# Altium PCB PA_8CH_CTRL.PcbDoc (part 2 of 10)
Units mm, origin at the board's own origin, x right, y up, seen from the top; angles counter-clockwise.
Board outline 390 x 110 mm, 4 copper layers (Component Side, Signal Layer 1, Power Plane, Solder Side), stack 1.604 mm thick; 833 components, 525 nets, 2536 pads, 1881 vias.
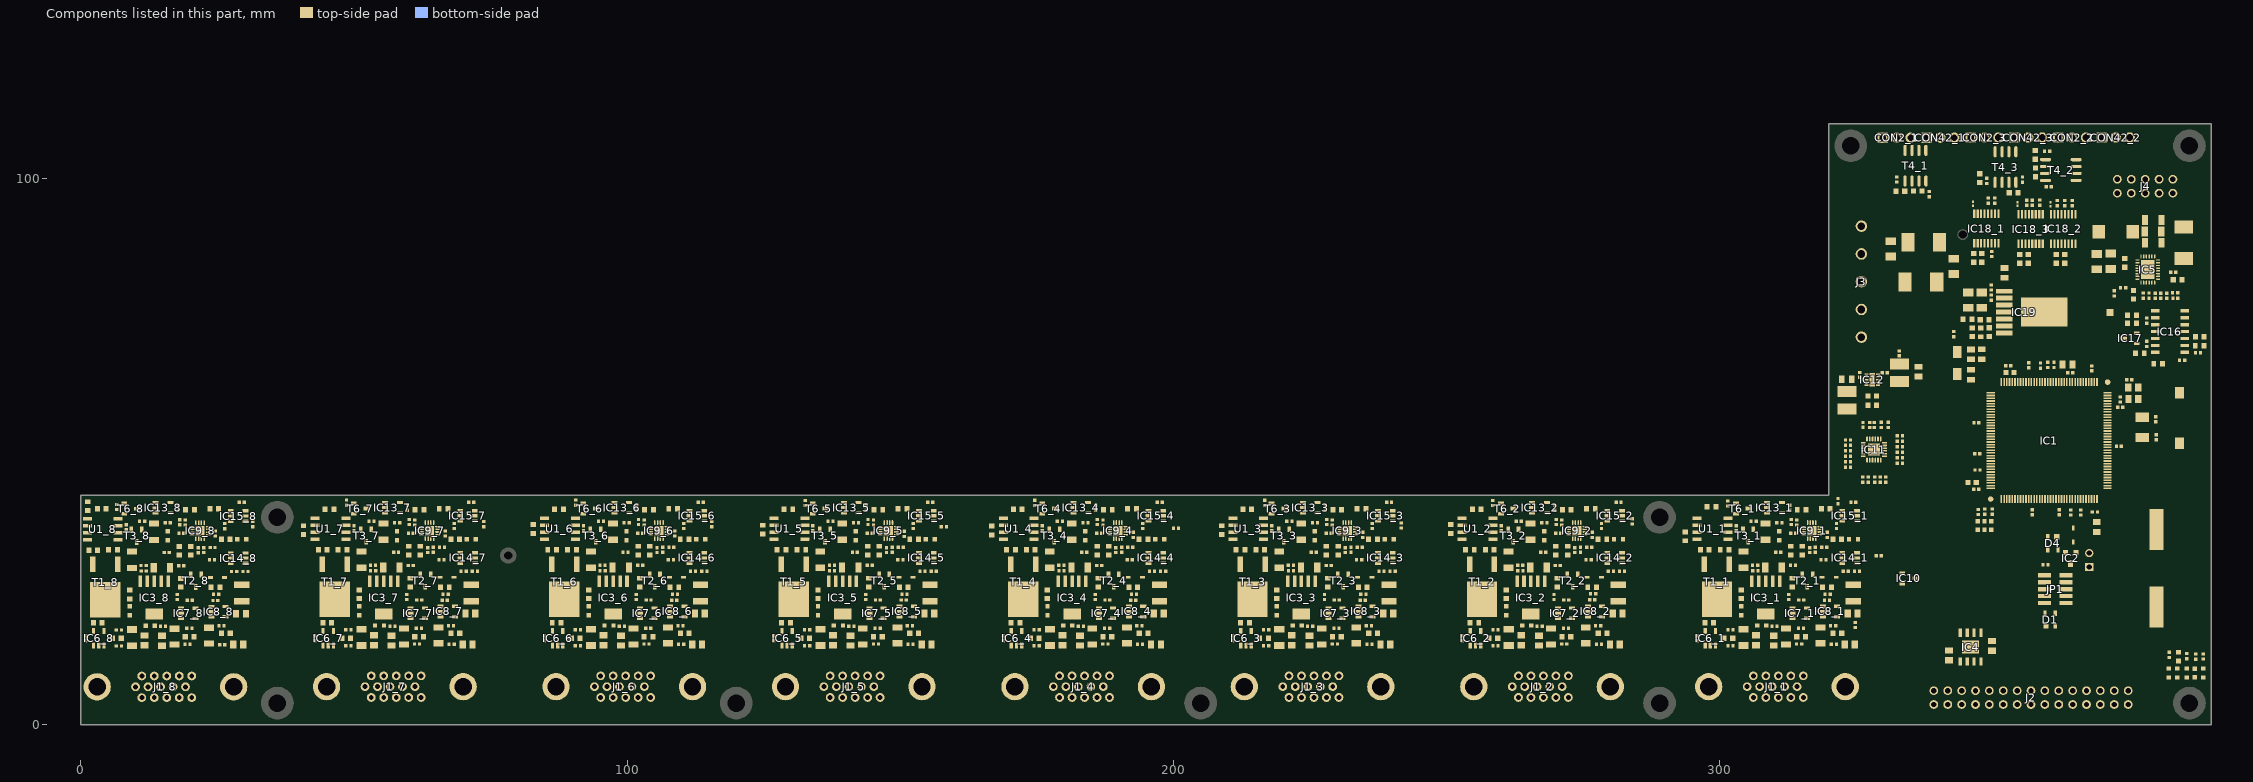
[diagram p4: the components of this part, seen from the top]

## Components (designator, comment, footprint, x,y, rotation, side; value= is the part's Value field where it differs from the comment) (continued)
R40_5 "10k" RESC1005X40N 137.235,37.281 r0 top (schematic designator R40)
R40_6 "10k" RESC1005X40N 95.235,37.281 r0 top (schematic designator R40)
R40_7 "10k" RESC1005X40N 53.235,37.281 r0 top (schematic designator R40)
R40_8 "10k" RESC1005X40N 11.235,37.252 r0 top (schematic designator R40)
R43_1 "82" RESC1005X40N 301.985,14.478 r0 top (schematic designator R43)
R43_2 "82" RESC1005X40N 258.985,14.478 r0 top (schematic designator R43)
R43_3 "82" RESC1005X40N 216.985,14.478 r0 top (schematic designator R43)
R43_4 "82" RESC1005X40N 174.985,14.478 r0 top (schematic designator R43)
R43_5 "82" RESC1005X40N 132.985,14.478 r0 top (schematic designator R43)
R43_6 "82" RESC1005X40N 90.985,14.478 r0 top (schematic designator R43)
R43_7 "82" RESC1005X40N 48.985,14.478 r0 top (schematic designator R43)
R43_8 "82" RESC1005X40N 6.985,14.449 r0 top (schematic designator R43)
R44_1 "82" RESC1005X40N 301.985,17.399 r0 top (schematic designator R44)
R44_2 "82" RESC1005X40N 258.985,17.399 r0 top (schematic designator R44)
R44_3 "82" RESC1005X40N 216.985,17.399 r0 top (schematic designator R44)
R44_4 "82" RESC1005X40N 174.985,17.399 r0 top (schematic designator R44)
R44_5 "82" RESC1005X40N 132.985,17.399 r0 top (schematic designator R44)
R44_6 "82" RESC1005X40N 90.985,17.399 r0 top (schematic designator R44)
R44_7 "82" RESC1005X40N 48.985,17.399 r0 top (schematic designator R44)
R44_8 "82" RESC1005X40N 6.985,17.37 r0 top (schematic designator R44)
R45_1 "330" RESC1608X55N 298.11,18.706 r0 top (schematic designator R45)
R45_2 "330" RESC1608X55N 255.11,18.706 r0 top (schematic designator R45)
R45_3 "330" RESC1608X55N 213.11,18.706 r0 top (schematic designator R45)
R45_4 "330" RESC1608X55N 171.11,18.706 r0 top (schematic designator R45)
R45_5 "330" RESC1608X55N 129.11,18.706 r0 top (schematic designator R45)
R45_6 "330" RESC1608X55N 87.11,18.706 r0 top (schematic designator R45)
R45_7 "330" RESC1608X55N 45.11,18.706 r0 top (schematic designator R45)
R45_8 "330" RESC1608X55N 3.11,18.677 r0 top (schematic designator R45)
R46_1 "82" RESC1005X40N 320.781,18.161 r180 top (schematic designator R46)
R46_2 "82" RESC1005X40N 277.781,18.161 r180 top (schematic designator R46)
R46_3 "82" RESC1005X40N 235.781,18.161 r180 top (schematic designator R46)
R46_4 "82" RESC1005X40N 193.781,18.161 r180 top (schematic designator R46)
R46_5 "82" RESC1005X40N 151.781,18.161 r180 top (schematic designator R46)
R46_6 "82" RESC1005X40N 109.781,18.161 r180 top (schematic designator R46)
R46_7 "82" RESC1005X40N 67.781,18.161 r180 top (schematic designator R46)
R46_8 "82" RESC1005X40N 25.781,18.132 r180 top (schematic designator R46)
R47_1 "82" RESC1005X40N 320.908,14.732 r180 top (schematic designator R47)
R47_2 "82" RESC1005X40N 277.908,14.732 r180 top (schematic designator R47)
R47_3 "82" RESC1005X40N 235.908,14.732 r180 top (schematic designator R47)
R47_4 "82" RESC1005X40N 193.908,14.732 r180 top (schematic designator R47)
R47_5 "82" RESC1005X40N 151.908,14.732 r180 top (schematic designator R47)
R47_6 "82" RESC1005X40N 109.908,14.732 r180 top (schematic designator R47)
R47_7 "82" RESC1005X40N 67.908,14.732 r180 top (schematic designator R47)
R47_8 "82" RESC1005X40N 25.908,14.703 r180 top (schematic designator R47)
R48_1 "82" RESC1005X40N 314.56,14.806 r180 top (schematic designator R48)
R48_2 "82" RESC1005X40N 271.56,14.806 r180 top (schematic designator R48)
R48_3 "82" RESC1005X40N 229.56,14.806 r180 top (schematic designator R48)
R48_4 "82" RESC1005X40N 187.56,14.806 r180 top (schematic designator R48)
R48_5 "82" RESC1005X40N 145.56,14.806 r180 top (schematic designator R48)
R48_6 "82" RESC1005X40N 103.56,14.806 r180 top (schematic designator R48)
R48_7 "82" RESC1005X40N 61.56,14.806 r180 top (schematic designator R48)
R48_8 "82" RESC1005X40N 19.56,14.777 r180 top (schematic designator R48)
R49_1 "82" RESC1005X40N 314.888,17.707 r180 top (schematic designator R49)
R49_2 "82" RESC1005X40N 271.888,17.707 r180 top (schematic designator R49)
R49_3 "82" RESC1005X40N 229.888,17.707 r180 top (schematic designator R49)
R49_4 "82" RESC1005X40N 187.888,17.707 r180 top (schematic designator R49)
R49_5 "82" RESC1005X40N 145.888,17.707 r180 top (schematic designator R49)
R49_6 "82" RESC1005X40N 103.888,17.707 r180 top (schematic designator R49)
R49_7 "82" RESC1005X40N 61.888,17.707 r180 top (schematic designator R49)
R49_8 "82" RESC1005X40N 19.888,17.678 r180 top (schematic designator R49)
R50_1 "10k" RESC1005X40N 319.79,23.93 r180 top (schematic designator R50)
R50_2 "10k" RESC1005X40N 276.86,24.003 r180 top (schematic designator R50)
R50_3 "10k" RESC1005X40N 234.79,23.93 r180 top (schematic designator R50)
R50_4 "10k" RESC1005X40N 192.79,23.93 r180 top (schematic designator R50)
R50_5 "10k" RESC1005X40N 150.79,23.93 r180 top (schematic designator R50)
R50_6 "10k" RESC1005X40N 108.79,23.93 r180 top (schematic designator R50)
R50_7 "10k" RESC1005X40N 66.79,23.93 r180 top (schematic designator R50)
R50_8 "10k" RESC1005X40N 24.79,23.901 r180 top (schematic designator R50)
R51_1 "10k" RESC1005X40N 312.678,23.422 r90 top (schematic designator R51)
R51_2 "10k" RESC1005X40N 269.678,23.422 r90 top (schematic designator R51)
R51_3 "10k" RESC1005X40N 227.678,23.422 r90 top (schematic designator R51)
R51_4 "10k" RESC1005X40N 185.678,23.422 r90 top (schematic designator R51)
R51_5 "10k" RESC1005X40N 143.678,23.422 r90 top (schematic designator R51)
R51_6 "10k" RESC1005X40N 101.678,23.422 r90 top (schematic designator R51)
R51_7 "10k" RESC1005X40N 59.678,23.422 r90 top (schematic designator R51)
R51_8 "10k" RESC1005X40N 17.678,23.393 r90 top (schematic designator R51)
R52_1 "10k" RESC1005X40N 301.523,40.538 r270 top (schematic designator R52)
R52_2 "10k" RESC1005X40N 258.47,40.615 r270 top (schematic designator R52)
R52_3 "10k" RESC1005X40N 216.713,40.64 r270 top (schematic designator R52)
R52_4 "10k" RESC1005X40N 174.625,40.64 r270 top (schematic designator R52)
R52_5 "10k" RESC1005X40N 132.639,40.615 r270 top (schematic designator R52)
R52_6 "10k" RESC1005X40N 90.602,40.665 r270 top (schematic designator R52)
R52_7 "10k" RESC1005X40N 48.641,40.665 r270 top (schematic designator R52)
R52_8 "10k" RESC1005X40N 6.61,39.877 r90 top (schematic designator R52)
R53_1 "330" RESC1608X55N 313.034,31.906 r90 top (schematic designator R53)
R53_2 "330" RESC1608X55N 270.034,31.906 r90 top (schematic designator R53)
R53_3 "330" RESC1608X55N 228.034,31.906 r90 top (schematic designator R53)
R53_4 "330" RESC1608X55N 186.034,31.906 r90 top (schematic designator R53)
R53_5 "330" RESC1608X55N 144.034,31.906 r90 top (schematic designator R53)
R53_6 "330" RESC1608X55N 102.034,31.906 r90 top (schematic designator R53)
R53_7 "330" RESC1608X55N 60.034,31.906 r90 top (schematic designator R53)
R53_8 "330" RESC1608X55N 18.034,31.877 r90 top (schematic designator R53)
R54_1 "330" RESC1608X55N 319.435,39.577 r180 top (schematic designator R54)
R54_2 "330" RESC1608X55N 276.435,39.577 r180 top (schematic designator R54)
R54_3 "330" RESC1608X55N 234.435,39.577 r180 top (schematic designator R54)
R54_4 "330" RESC1608X55N 192.435,39.577 r180 top (schematic designator R54)
R54_5 "330" RESC1608X55N 150.435,39.577 r180 top (schematic designator R54)
R54_6 "330" RESC1608X55N 108.435,39.577 r180 top (schematic designator R54)
R54_7 "330" RESC1608X55N 66.435,39.577 r180 top (schematic designator R54)
R54_8 "330" RESC1608X55N 24.435,39.548 r180 top (schematic designator R54)
R55_1 "330" RESC1608X55N 313.288,26.035 r90 top (schematic designator R55)
R55_2 "330" RESC1608X55N 270.288,26.035 r90 top (schematic designator R55)
R55_3 "330" RESC1608X55N 228.288,26.035 r90 top (schematic designator R55)
R55_4 "330" RESC1608X55N 186.288,26.035 r90 top (schematic designator R55)
R55_5 "330" RESC1608X55N 144.288,26.035 r90 top (schematic designator R55)
R55_6 "330" RESC1608X55N 102.288,26.035 r90 top (schematic designator R55)
R55_7 "330" RESC1608X55N 60.288,26.035 r90 top (schematic designator R55)
R55_8 "330" RESC1608X55N 18.288,26.006 r90 top (schematic designator R55)
R56_1 "330" RESC1608X55N 315.168,31.906 r270 top (schematic designator R56)
R56_2 "330" RESC1608X55N 272.168,31.906 r270 top (schematic designator R56)
R56_3 "330" RESC1608X55N 230.168,31.906 r270 top (schematic designator R56)
R56_4 "330" RESC1608X55N 188.168,31.906 r270 top (schematic designator R56)
R56_5 "330" RESC1608X55N 146.168,31.906 r270 top (schematic designator R56)
R56_6 "330" RESC1608X55N 104.168,31.906 r270 top (schematic designator R56)
R56_7 "330" RESC1608X55N 62.168,31.906 r270 top (schematic designator R56)
R56_8 "330" RESC1608X55N 20.168,31.877 r270 top (schematic designator R56)
R57_1 "10k" RESC1005X40N 319.684,34.798 r270 top (schematic designator R57)
R57_2 "10k" RESC1005X40N 276.682,34.798 r270 top (schematic designator R57)
R57_3 "10k" RESC1005X40N 234.696,34.798 r270 top (schematic designator R57)
R57_4 "10k" RESC1005X40N 192.684,34.798 r270 top (schematic designator R57)
R57_5 "10k" RESC1005X40N 150.724,34.976 r270 top (schematic designator R57)
R57_6 "10k" RESC1005X40N 108.712,35.027 r270 top (schematic designator R57)
R57_7 "10k" RESC1005X40N 66.7,35.027 r270 top (schematic designator R57)
R57_8 "10k" RESC1005X40N 24.613,35.027 r270 top (schematic designator R57)
R58_1 "15k" RESC1005X40N 319.028,30.23 r180 top (schematic designator R58)
R58_2 "15k" RESC1005X40N 276.028,30.23 r180 top (schematic designator R58)
R58_3 "15k" RESC1005X40N 234.028,30.23 r180 top (schematic designator R58)
R58_4 "15k" RESC1005X40N 192.028,30.23 r180 top (schematic designator R58)
R58_5 "15k" RESC1005X40N 150.028,30.23 r180 top (schematic designator R58)
R58_6 "15k" RESC1005X40N 108.028,30.23 r180 top (schematic designator R58)
R58_7 "15k" RESC1005X40N 66.028,30.23 r180 top (schematic designator R58)
R58_8 "15k" RESC1005X40N 24.028,30.201 r180 top (schematic designator R58)
R59_1 "10k" RESC1005X40N 314.126,37.062 r90 top (schematic designator R59)
R59_2 "10k" RESC1005X40N 271.126,37.062 r90 top (schematic designator R59)
R59_3 "10k" RESC1005X40N 229.126,37.062 r90 top (schematic designator R59)
R59_4 "10k" RESC1005X40N 187.126,37.062 r90 top (schematic designator R59)
R59_5 "10k" RESC1005X40N 145.126,37.062 r90 top (schematic designator R59)
R59_6 "10k" RESC1005X40N 103.126,37.062 r90 top (schematic designator R59)
R59_7 "10k" RESC1005X40N 61.126,37.062 r90 top (schematic designator R59)
R59_8 "10k" RESC1005X40N 19.126,37.033 r90 top (schematic designator R59)
R60 "2k2" RESC1005X40N 329.616,54.915 r270 top
R61 "2k2" RESC1005X40N 323.491,52.153 r180 top
R62 "2k2" RESC1005X40N 330.86,54.915 r270 top
R63 "2k2" RESC1005X40N 323.491,51.153 r180 top
R64 "2k2" RESC1005X40N 323.491,50.153 r180 top
R65 "2k2" RESC1005X40N 323.491,49.153 r180 top
R66 "0" RESC1005X40N 332.991,52.903 r180 top
R67 "0" RESC1005X40N 327.491,54.903 r270 top
R68 "2k2" RESC1005X40N 323.491,48.153 r180 top
R69 "0" RESC1005X40N 328.32,54.889 r270 top
R70 "2k2" RESC1005X40N 323.491,47.153 r180 top
R71 "2k2" RESC1005X40N 326.182,44.895 r270 top
R72 "2k2" RESC1005X40N 327.182,44.895 r270 top
R73 "2k2" RESC1005X40N 328.432,44.895 r270 top
R74 "2k2" RESC1005X40N 329.432,44.895 r270 top
R75 "2k2" RESC1005X40N 330.432,44.895 r270 top
R76 "2k2" RESC1005X40N 332.991,47.903 r0 top
R77 "2k2" RESC1005X40N 332.991,48.903 r0 top
R78 "2k2" RESC1005X40N 332.991,49.903 r0 top
R79 "2k2" RESC1005X40N 332.991,50.903 r0 top
R80 "2k2" RESC1005X40N 332.991,51.903 r0 top
R81 "270k" RESC1608X55N 327.944,60.205 r0 top
R82 "82k" RESC1608X55N 327.939,58.547 r180 top
R83 "0" RESC1005X40N 324.815,18.288 r270 top
R84_1 "330" RESC1608X55N 319.663,25.226 r0 top (schematic designator R84)
R84_2 "330" RESC1608X55N 276.663,25.226 r0 top (schematic designator R84)
R84_3 "330" RESC1608X55N 234.663,25.226 r0 top (schematic designator R84)
R84_4 "330" RESC1608X55N 192.663,25.226 r0 top (schematic designator R84)
R84_5 "330" RESC1608X55N 150.663,25.226 r0 top (schematic designator R84)
R84_6 "330" RESC1608X55N 108.663,25.226 r0 top (schematic designator R84)
R84_7 "330" RESC1608X55N 66.663,25.226 r0 top (schematic designator R84)
R84_8 "330" RESC1608X55N 24.663,25.197 r0 top (schematic designator R84)
R85_1 "10k" RESC1005X40N 325.15,28.096 r180 top (schematic designator R85)
R85_2 "10k" RESC1005X40N 282.15,28.096 r180 top (schematic designator R85)
R85_3 "10k" RESC1005X40N 240.15,28.096 r180 top (schematic designator R85)
R85_4 "10k" RESC1005X40N 198.15,28.096 r180 top (schematic designator R85)
R85_5 "10k" RESC1005X40N 156.15,28.096 r180 top (schematic designator R85)
R85_6 "10k" RESC1005X40N 114.15,28.096 r180 top (schematic designator R85)
R85_7 "10k" RESC1005X40N 72.15,28.096 r180 top (schematic designator R85)
R85_8 "10k" RESC1005X40N 30.15,28.067 r180 top (schematic designator R85)
R86_1 "10k" RESC1005X40N 312.811,39.746 r90 top (schematic designator R86)
R86_2 "10k" RESC1005X40N 269.811,39.746 r90 top (schematic designator R86)
R86_3 "10k" RESC1005X40N 227.811,39.746 r90 top (schematic designator R86)
R86_4 "10k" RESC1005X40N 185.811,39.746 r90 top (schematic designator R86)
R86_5 "10k" RESC1005X40N 143.811,39.746 r90 top (schematic designator R86)
R86_6 "10k" RESC1005X40N 101.811,39.746 r90 top (schematic designator R86)
R86_7 "10k" RESC1005X40N 59.811,39.746 r90 top (schematic designator R86)
R86_8 "10k" RESC1005X40N 17.811,39.717 r90 top (schematic designator R86)
R87_1 "56k" RESC1608X55N 315.015,39.374 r180 top (schematic designator R87)
R87_2 "56k" RESC1608X55N 272.015,39.374 r180 top (schematic designator R87)
R87_3 "56k" RESC1608X55N 230.015,39.374 r180 top (schematic designator R87)
R87_4 "56k" RESC1608X55N 188.015,39.374 r180 top (schematic designator R87)
R87_5 "56k" RESC1608X55N 146.015,39.374 r180 top (schematic designator R87)
R87_6 "56k" RESC1608X55N 104.015,39.374 r180 top (schematic designator R87)
R87_7 "56k" RESC1608X55N 62.015,39.374 r180 top (schematic designator R87)
R87_8 "56k" RESC1608X55N 20.015,39.345 r180 top (schematic designator R87)
R88_1 "10k" RESC1005X40N 323.092,28.096 r0 top (schematic designator R88)
R88_2 "10k" RESC1005X40N 280.092,28.096 r0 top (schematic designator R88)
R88_3 "10k" RESC1005X40N 238.092,28.096 r0 top (schematic designator R88)
R88_4 "10k" RESC1005X40N 196.092,28.096 r0 top (schematic designator R88)
R88_5 "10k" RESC1005X40N 154.092,28.096 r0 top (schematic designator R88)
R88_6 "10k" RESC1005X40N 112.092,28.096 r0 top (schematic designator R88)
R88_7 "10k" RESC1005X40N 70.092,28.096 r0 top (schematic designator R88)
R88_8 "10k" RESC1005X40N 28.092,28.067 r0 top (schematic designator R88)
R89_1 "10k" RESC1005X40N 321.67,40.948 r90 top (schematic designator R89)
R89_2 "10k" RESC1005X40N 284,37.25 r90 top (schematic designator R89)
R89_3 "10k" RESC1005X40N 241.75,36.5 r90 top (schematic designator R89)
R89_4 "10k" RESC1005X40N 200.5,36 r0 top (schematic designator R89)
R89_5 "10k" RESC1005X40N 158,36.25 r0 top (schematic designator R89)
R89_6 "10k" RESC1005X40N 115.5,36.75 r90 top (schematic designator R89)
R89_7 "10k" RESC1005X40N 73.75,36.75 r90 top (schematic designator R89)
R89_8 "10k" RESC1005X40N 31.5,36.75 r90 top (schematic designator R89)
R90_1 "82" RESC1005X40N 321.391,36.402 r90 top (schematic designator R90)
R90_2 "82" RESC1005X40N 278.391,36.402 r90 top (schematic designator R90)
R90_3 "82" RESC1005X40N 236.391,36.402 r90 top (schematic designator R90)
R90_4 "82" RESC1005X40N 194.391,36.402 r90 top (schematic designator R90)
R90_5 "82" RESC1005X40N 152.391,36.402 r90 top (schematic designator R90)
R90_6 "82" RESC1005X40N 110.391,36.402 r90 top (schematic designator R90)
R90_7 "82" RESC1005X40N 68.391,36.402 r90 top (schematic designator R90)
R90_8 "82" RESC1005X40N 26.391,36.373 r90 top (schematic designator R90)
R91 "56k" RESC1608X55N 387.894,71.09 r0 top
R92 "10k" RESC1005X40N 378.175,74 r90 top
R93 "10k" RESC1005X40N 384.668,66.721 r0 top
R94 "18k" RESC1608X55N 375.5,75 r180 top
R95 "13k" RESC1608X55N 375.5,73.5 r180 top
R96 "20k" RESC1608X55N 380.275,66.075 r0 top
R97 "1k" RESC1608X55N 376.925,68 r0 top
R98 "7k5" RESC1608X55N 387.869,69.413 r0 top
R99 "2k2" RESC1005X40N 387.564,68.118 r180 top
R100 "2k2" RESC1005X40N 378.175,69.75 r90 top
R101 "2k2" RESC1005X40N 348.564,39.04 r270 top
R102 "2k2" RESC1005X40N 347.32,38.964 r270 top
R103 "2k2" RESC1005X40N 349.885,39.04 r270 top
R104_1 "10k" RESC1005X40N 310.926,37.011 r0 top (schematic designator R104)
R104_2 "10k" RESC1005X40N 267.926,37.011 r0 top (schematic designator R104)
R104_3 "10k" RESC1005X40N 225.926,37.011 r0 top (schematic designator R104)
R104_4 "10k" RESC1005X40N 183.926,37.011 r0 top (schematic designator R104)
R104_5 "10k" RESC1005X40N 141.926,37.011 r0 top (schematic designator R104)
R104_6 "10k" RESC1005X40N 99.926,37.011 r0 top (schematic designator R104)
R104_7 "10k" RESC1005X40N 57.926,37.011 r0 top (schematic designator R104)
R104_8 "10k" RESC1005X40N 15.926,36.982 r0 top (schematic designator R104)
R107_1 "330" RESC1608X55N 321.548,34.009 r180 top (schematic designator R107)
R107_2 "330" RESC1608X55N 278.548,34.009 r180 top (schematic designator R107)
R107_3 "330" RESC1608X55N 236.548,34.009 r180 top (schematic designator R107)
R107_4 "330" RESC1608X55N 194.548,34.009 r180 top (schematic designator R107)
R107_5 "330" RESC1608X55N 152.548,34.009 r180 top (schematic designator R107)
R107_6 "330" RESC1608X55N 110.548,34.009 r180 top (schematic designator R107)
R107_7 "330" RESC1608X55N 68.548,34.009 r180 top (schematic designator R107)
R107_8 "330" RESC1608X55N 26.548,33.98 r180 top (schematic designator R107)
R108 "10k" RESC1005X40N 382.28,12.832 r270 top
R109 "10k" RESC1005X40N 385.53,12.582 r270 top
R110 "56k" RESC1608X55N 384,12.5 r90 top
R111 "2k2" RESC1005X40N 387.148,12.477 r90 top
R112 "10k" RESC1005X40N 361.213,65.913 r90 top
R113 "10k" RESC1005X40N 360.096,65.913 r90 top
R147_1 "10k" RESC1005X40N 350.4,95.97 r90 top (schematic designator R147)
R147_2 "10k" RESC1005X40N 364.525,95.5 r90 top (schematic designator R147)
R147_3 "10k" RESC1005X40N 358.6,95.6 r90 top (schematic designator R147)
R148_1 "10k" RESC1005X40N 349.2,95.97 r90 top (schematic designator R148)
R148_2 "10k" RESC1005X40N 363.2,95.5 r90 top (schematic designator R148)
R148_3 "10k" RESC1005X40N 357.225,95.575 r90 top (schematic designator R148)
R149_1 "10k" RESC1005X40N 332.45,99.85 r270 top (schematic designator R149)
R149_2 "10k" RESC1005X40N 359.95,104.975 r180 top (schematic designator R149)
R149_3 "10k" RESC1005X40N 348.925,99.6 r270 top (schematic designator R149)
R150_1 "10k" RESC1005X40N 338.375,97.15 r270 top (schematic designator R150)
R150_2 "10k" RESC1005X40N 360.25,98.475 r0 top (schematic designator R150)
R150_3 "10k" RESC1005X40N 355.45,99.8 r90 top (schematic designator R150)
T1_1 "MJD2955G" TO228P991X239-3N-R552X520 299.51,25.256 r270 top (schematic designator T1)
T1_2 "MJD2955G" TO228P991X239-3N-R552X520 256.51,25.256 r270 top (schematic designator T1)
T1_3 "MJD2955G" TO228P991X239-3N-R552X520 214.51,25.256 r270 top (schematic designator T1)
T1_4 "MJD2955G" TO228P991X239-3N-R552X520 172.51,25.256 r270 top (schematic designator T1)
T1_5 "MJD2955G" TO228P991X239-3N-R552X520 130.51,25.256 r270 top (schematic designator T1)
T1_6 "MJD2955G" TO228P991X239-3N-R552X520 88.51,25.256 r270 top (schematic designator T1)
T1_7 "MJD2955G" TO228P991X239-3N-R552X520 46.51,25.256 r270 top (schematic designator T1)
T1_8 "MJD2955G" TO228P991X239-3N-R552X520 4.51,25.227 r270 top (schematic designator T1)
T2_1 "BSS138LT1G" SOT95P240X110-3N 316.082,26.416 r270 top (schematic designator T2)
T2_2 "BSS138LT1G" SOT95P240X110-3N 273.082,26.416 r270 top (schematic designator T2)
T2_3 "BSS138LT1G" SOT95P240X110-3N 231.082,26.416 r270 top (schematic designator T2)
T2_4 "BSS138LT1G" SOT95P240X110-3N 189.082,26.416 r270 top (schematic designator T2)
T2_5 "BSS138LT1G" SOT95P240X110-3N 147.082,26.416 r270 top (schematic designator T2)
T2_6 "BSS138LT1G" SOT95P240X110-3N 105.082,26.416 r270 top (schematic designator T2)
T2_7 "BSS138LT1G" SOT95P240X110-3N 63.082,26.416 r270 top (schematic designator T2)
T2_8 "BSS138LT1G" SOT95P240X110-3N 21.082,26.387 r270 top (schematic designator T2)
T3_1 "BSS138LT1G" SOT95P240X110-3N 305.236,34.649 r270 top (schematic designator T3)
T3_2 "BSS138LT1G" SOT95P240X110-3N 262.236,34.649 r270 top (schematic designator T3)
T3_3 "BSS138LT1G" SOT95P240X110-3N 220.236,34.649 r270 top (schematic designator T3)
T3_4 "BSS138LT1G" SOT95P240X110-3N 178.236,34.649 r270 top (schematic designator T3)
T3_5 "BSS138LT1G" SOT95P240X110-3N 136.236,34.649 r270 top (schematic designator T3)
T3_6 "BSS138LT1G" SOT95P240X110-3N 94.236,34.649 r270 top (schematic designator T3)
T3_7 "BSS138LT1G" SOT95P240X110-3N 52.236,34.649 r270 top (schematic designator T3)
T3_8 "BSS138LT1G" SOT95P240X110-3N 10.236,34.62 r270 top (schematic designator T3)
T4_1 "IRF7304PBF" so-8 333.95,99.575 r90 top (schematic designator T4)
T4_2 "IRF7304PBF" so-8 359.675,103.475 r0 top (schematic designator T4)
T4_3 "IRF7304PBF" so-8 350.425,99.325 r90 top (schematic designator T4)
T6_1 "BSS138LT1G" SOT95P240X110-3N 304.135,39.606 r0 top (schematic designator T6)
T6_2 "BSS138LT1G" SOT95P240X110-3N 261.135,39.606 r0 top (schematic designator T6)
T6_3 "BSS138LT1G" SOT95P240X110-3N 219.135,39.606 r0 top (schematic designator T6)
T6_4 "BSS138LT1G" SOT95P240X110-3N 177.135,39.606 r0 top (schematic designator T6)
T6_5 "BSS138LT1G" SOT95P240X110-3N 135.135,39.606 r0 top (schematic designator T6)
T6_6 "BSS138LT1G" SOT95P240X110-3N 93.135,39.606 r0 top (schematic designator T6)
T6_7 "BSS138LT1G" SOT95P240X110-3N 51.135,39.606 r0 top (schematic designator T6)
T6_8 "BSS138LT1G" SOT95P240X110-3N 9.135,39.577 r0 top (schematic designator T6)
TP1 "Test Point" TPS127 371.5,75.5 r0 top
U1_1 "UC3836D" D0008A_M 298.71,35.906 r180 top (schematic designator U1)
U1_2 "UC3836D" D0008A_M 255.71,35.906 r180 top (schematic designator U1)
U1_3 "UC3836D" D0008A_M 213.71,35.906 r180 top (schematic designator U1)
U1_4 "UC3836D" D0008A_M 171.71,35.906 r180 top (schematic designator U1)
U1_5 "UC3836D" D0008A_M 129.71,35.906 r180 top (schematic designator U1)
U1_6 "UC3836D" D0008A_M 87.71,35.906 r180 top (schematic designator U1)
U1_7 "UC3836D" D0008A_M 45.71,35.906 r180 top (schematic designator U1)
U1_8 "UC3836D" D0008A_M 4.039,35.814 r180 top (schematic designator U1)

## Footprints (in the part's own frame and the unit in brackets; to place one, negate y for a bottom-side part, rotate by r counter-clockwise, add the part's x,y. Pads: shape width x height; smd on the part's side, far side on the other; paste and mask are expansions set on the pad)
3M_N2510-6003RB [mm] "10 Contacts - Straight .100\" x .100\" Low Profile Four-Wall Header (Solder Tail 3.94mm)"
  round 1.6 hole 1: 1(-5.08,-1.27) 2(-5.08,1.27) 3(-2.54,-1.27) 4(-2.54,1.27) 5(0,-1.27) 6(0,1.27) 7(2.54,-1.27) 8(2.54,1.27) 9(5.08,-1.27) 10(5.08,1.27)
  silkscreen extent -10.01,-4.85 10.01,4.52, body extent -10.01,-4.11 10.01,4.52, height 9.91
3M_N2530-6002RB [mm] "30 Contacts - Straight .100\" x .100\" Low Profile Four-Wall Header"
  round 1.6 hole 1: 1(-17.78,-1.27) 2(-17.78,1.27) 3(-15.24,-1.27) 4(-15.24,1.27) 5(-12.7,-1.27) 6(-12.7,1.27) 7(-10.16,-1.27) 8(-10.16,1.27) 9(-7.62,-1.27) 10(-7.62,1.27) 11(-5.08,-1.27) 12(-5.08,1.27) 13(-2.54,-1.27) 14(-2.54,1.27) 15(0,-1.27) 16(0,1.27) 17(2.54,-1.27) 18(2.54,1.27) 19(5.08,-1.27) 20(5.08,1.27) 21(7.62,-1.27) 22(7.62,1.27) 23(10.16,-1.27) 24(10.16,1.27) 25(12.7,-1.27) 26(12.7,1.27) 27(15.24,-1.27) 28(15.24,1.27) 29(17.78,-1.27) 30(17.78,1.27)
  silkscreen extent -22.71,-4.85 22.71,4.52, body extent -22.71,-4.11 22.71,4.52, height 9.91
CAPAE1900X1680N [mm] "Capacitor,Aluminum Electrolytic; 19.00mm L X 19.00mm W X 16.80mm H , IPC Medium Density"
  rect 7.5x2.5 smd: 1(-7.1,0) 2(7.1,0)
  silkscreen extent -10.72,-9.5 9.5,9.5, body extent -10.5,-9.6 10.5,9.6, height 16.8
CAPC0603X33N [mm] "Chip Capacitor, Body 0.6x0.30mm, IPC Medium Density"
  rect 0.45x0.4 smd: 1(-0.35,0) 2(0.35,0)
  body extent -0.31,-0.16 0.32,0.17, height 0.33
CAPC1005X55N [mm] "Chip Capacitor, Body 1.0x0.55mm, IPC Medium Density"
  rect 0.62x0.62 smd: 1(-0.45,0) 2(0.45,0)
  body extent -0.52,-0.27 0.53,0.28, height 0.55
CAPC1608X87N [mm] "Chip Capacitor, Body 1.6x0.8mm IPC Medium Density"
  rect 0.95x1 smd: 1(-0.8,0) 2(0.8,0)
  body extent -0.87,-0.47 0.88,0.48, height 0.87
CAPC1608X90N [mm] "Chip Capacitor, Body 1.6x0.8mm IPC Medium Density"
  rect 0.95x0.95 smd: 1(-0.75,0) 2(0.75,0)
  body extent -0.85,-0.45 0.85,0.45, height 0.9
CAPC2012X110N [mm] "Chip Capacitor, Body 2.0x1.25mm, IPC Medium Density"
  rect 1.15x1.45 smd: 1(-0.9,0) 2(0.9,0)
  silkscreen extent 0,-0.58 0,0.58, body extent -1.05,-0.67 1.05,0.68, height 1.1
CAPC2012X135N [mm] "Chip Capacitor, Body 2.0x1.25mm, IPC Medium Density"
  rect 1.05x1.4 smd: 1(-0.9,0) 2(0.9,0)
  silkscreen extent 0,-0.58 0,0.58, body extent -1.05,-0.67 1.05,0.68, height 1.25
CAPC2012X140N [mm] "Chip Capacitor, Body 2.0x1.25mm, IPC Medium Density"
  rect 1.15x1.45 smd: 1(-0.9,0) 2(0.9,0)
  silkscreen extent 0,-0.58 0,0.58, body extent -1.05,-0.67 1.05,0.68, height 1.3
CAPC3216X140N [mm] "Chip Capacitor, Body 3.2x1.6mm, IPC Medium Density"
  rect 1.15x1.8 smd: 1(-1.5,0) 2(1.5,0)
  silkscreen extent -0.5,-0.9 0.5,0.9, body extent -1.7,-0.9 1.7,0.9, height 1.4
CAPC3216X180N [mm] "Chip Capacitor, Body 3.2x1.6mm, IPC Medium Density"
  rect 1.15x1.8 smd: 1(-1.5,0) 2(1.5,0)
  silkscreen extent -0.55,-0.8 0.55,0.8, body extent -1.7,-0.9 1.7,0.9, height 1.8
CAPC3216X190N [mm] "Chip Capacitor, Body 3.2x1.6mm, IPC Medium Density"
  rect 1.45x1.9 smd: 1(-1.4,0) 2(1.4,0)
  silkscreen extent -0.3,-0.95 0.3,0.95, body extent -1.75,-0.95 1.75,0.95, height 1.9
CAPMP7343X310N [mm] "Capacitor, Polarized, Molded  Body 7.3x4.3mm, IPC Medium Density"
  rect 2.35x2.45 smd: 1(-3.1,0) 2(3.1,0)
  silkscreen extent -4.42,-2.3 3.8,2.3, body extent -3.8,-2.3 3.8,2.3, height 3.1
D0008A_M [mm] "SOIC, 8-Leads, Body 5x4mm, Pitch 1.27mm, IPC Low Density"
  rrect15% 1.65x0.65 smd: 1(-2.825,1.905) 2(-2.825,0.635) 3(-2.825,-0.635) 4(-2.825,-1.905) 5(2.825,-1.905) 6(2.825,-0.635) 7(2.825,0.635) 8(2.825,1.905)
  silkscreen extent -2.95,-2.5 1.6,2.9, body extent -3,-2.45 3,2.45, height 1.63
DIOM5127X229N [mm] "DO-214-AC/SMA Molded Diode, 2-Leads, Body 5.1x2.7mm, IPC Medium Density"
  rect 2.2x1.55 smd: 1(-2.05,0) 2(2.05,0)
  silkscreen extent -3.42,-1.4 2.65,1.45, body extent -2.67,-1.45 2.68,1.45, height 2.29
FUSRC3226X85N [mm] "Chip Resettable Fuse, 2-Leads, Body 3.2mm x 2.6mm, IPC Medium Density"
  rect 1.2x2.8 smd: 1(-1.5,0) 2(1.5,0)
  silkscreen extent -0.55,-1.3 0.55,1.3, body extent -1.7,-1.4 1.7,1.4, height 0.85
IND_MURATA-PS_8400 [mm] "Miniature Surface Mount Power Inductors, 4.5mm L X 3.3mm W X 2.9mm H, MURATA 8400 Serie"
  rect 2x3.5 smd: 1(-1.6,0) 2(1.6,0)
  silkscreen extent -0.3,-1.8 0.3,1.8, body extent -2.4,-1.8 2.4,1.8, height 2.9
INDC2012X105N [mm] "Chip Inductor, EIA 0805, Metric 2012, Body 2.0x1.25mm, IPC Medium Density"
  rect 1.15x1.45 smd: 1(-0.9,0) 2(0.9,0)
  silkscreen extent 0,-0.6 0,0.6, body extent -1.1,-0.7 1.1,0.7, height 1.1
INDM6965X300N [mm] "Inductor Molded Body, Body 6.86mm L X 6.47mm W X 3mm H, IPC Medium Density"
  rect 2.4x3.4 smd: 1(-2.9,0) 2(2.9,0)
  silkscreen extent -3.4,-3.25 3.4,3.25, body extent -3.62,-3.36 3.62,3.36, height 3
jump [mm]
  rect 1.5x1.5 hole 0.965: 1(0,0)
  round 1.5 hole 0.965: 2(0,-2.54)
  silkscreen extent -1.2,-3.81 1.2,1.27, body extent -1.26,-3.84 1.19,1.24, height 8
LED_KINGBRIGHT_KPH-1608CGCK [mm] "SMT Green LED, Case 0603, Body L 1.6 x W 0.8mm H 0.65mm"
  rect 0.8x0.8 smd: 1(-0.825,0) 2(0.825,0)
  silkscreen extent -1.82,-0.4 0.08,0.4, body extent -0.8,-0.4 0.8,0.4, height 0.65
LED_KINGBRIGHT_KPH-1608SURCK [mm] "SMT Hyper Red LED, Case 0603, Body L 1.6 x W 0.8mm H 0.65mm"
  rect 0.8x0.8 smd: 1(-0.825,0) 2(0.825,0)
  silkscreen extent -1.83,-0.4 0.08,0.4, body extent -0.8,-0.4 0.8,0.4, height 0.65
LED_OSRAM_LGL29K [mm] "Green Chip LED, 2-Leads, Body 1.7x0.8mm, IPC Medium Density"
  rect 0.8x0.8 smd: 1(-0.8,0) 2(0.8,0)
  silkscreen extent -1.92,-0.4 0.1,0.4, body extent -0.85,-0.4 0.85,0.4, height 0.67
MOLEX_22-05-7038 [mm] "2.54mm (.100\") Pitch KK® Wire-To-Board Header, Right Angle, With Friction Lock, 3 Circuits"
  rect 1.9x1.9 hole 1.2: 1(-2.54,0)
  round 1.9 hole 1.2: 2(0,-0.005) 3(2.54,0)
  silkscreen extent -3.81,1.3 3.81,14.42, body extent -3.81,-0.32 3.81,14.42, height 5.84
PB_TYCO_FSMSM [mm] "Body 3.5x6.0mm, Pushbutton Switch,  TYCO FSMSM Serie"
  rect 2.1x1.6 smd: 1(-4.65,0) 2(4.65,0)
  silkscreen extent -3,-1.75 3,1.75, body extent -5,-1.75 5,1.75, height 4.3
PHOENIX_1755765 [mm] "PCB Header, 12A 250 V, Pitch: 2.54mm, 5 Positions, MSTBVA Serie"
  round 2.1 hole 1.4: 1(-10.16,0) 2(-5.08,0) 3(0,0) 4(5.08,0) 5(10.16,0)
  silkscreen extent -13.7,-3.84 13.7,4.77, body extent -13.7,-3.83 13.7,4.77, height 12
PLHTD10S-TR-CV [mm] "SMT 1.27 mm dual goldpin"
  rect 0.76x2.4 smd: 1(-5.715,-1.95) 2(-5.715,1.95) 3(-4.445,-1.95) 4(-4.445,1.95) 5(-3.175,-1.95) 6(-3.175,1.95) 7(-1.905,-1.95) 8(-1.905,1.95) 9(-0.635,-1.95) 10(-0.635,1.95)
  silkscreen extent -6.7,-2.58 0.3,2.5, body extent -6.5,-2.15 0.1,2.15, height 4.5
QFN50P400X400X100-25N-S220 [mm] "QFN, 0.50mm Pitch, Square; 24 Pin, 4.00mm L X 4.00mm W X 1.00mm H body (w/thermal tab 2.2 X 2.2mm), IPC Medium Density"
  oval 0.9x0.3 smd: 1(-1.95,1.25) 2(-1.95,0.75) 3(-1.95,0.25) 4(-1.95,-0.25) 5(-1.95,-0.75) 6(-1.95,-1.25) 13(1.95,-1.25) 14(1.95,-0.75) 15(1.95,-0.25) 16(1.95,0.25) 17(1.95,0.75) 18(1.95,1.25)
  oval 0.3x0.9 smd: 7(-1.25,-1.95) 8(-0.75,-1.95) 9(-0.25,-1.95) 10(0.25,-1.95) 11(0.75,-1.95) 12(1.25,-1.95) 19(1.25,1.95) 20(0.75,1.95) 21(0.25,1.95) 22(-0.25,1.95) 23(-0.75,1.95) 24(-1.25,1.95)
  rect 2.2x2.2 smd: 25(0,0)
  silkscreen extent -3.12,-2 2,2, body extent -2.07,-2.07 2.08,2.08, height 1
QFN50P400X500X80_HS-29N [mm] "QFN, 28-Leads, Body 4,00x5,00mm, Pitch 0,50mm, Thermal Pad 2,75x3,75mm, IPC Medium Density"
  oval 0.75x0.25 smd: 1(-1.9,1.75) 2(-1.9,1.25) 3(-1.9,0.75) 4(-1.9,0.25) 5(-1.9,-0.25) 6(-1.9,-0.75) 7(-1.9,-1.25) 8(-1.9,-1.75) 15(1.9,-1.75) 16(1.9,-1.25) 17(1.9,-0.75) 18(1.9,-0.25) 19(1.9,0.25) 20(1.9,0.75) 21(1.9,1.25) 22(1.9,1.75)
  oval 0.25x0.75 smd: 9(-1.25,-2.4) 10(-0.75,-2.4) 11(-0.25,-2.4) 12(0.25,-2.4) 13(0.75,-2.4) 14(1.25,-2.4) 23(1.25,2.4) 24(0.75,2.4) 25(0.25,2.4) 26(-0.25,2.4) 27(-0.75,2.4) 28(-1.25,2.4)
  rect 2.54x3.556 smd: 29(0,0)
  silkscreen extent -2.97,-2.7 2.2,2.7, body extent -2.05,-2.55 2.05,2.55, height 0.8
QFP50P2200X2200X160-144N [mm] "QFP, 144-Leads, Body 20x20mm (BSC), Pitch 0.50mm, IPC Medium Density"
  rect 1.5x0.3 smd: 1(-10.7,8.75) 2(-10.7,8.25) 3(-10.7,7.75) 4(-10.7,7.25) 5(-10.7,6.75) 6(-10.7,6.25) 7(-10.7,5.75) 8(-10.7,5.25) 9(-10.7,4.75) 10(-10.7,4.25) 11(-10.7,3.75) 12(-10.7,3.25) 13(-10.7,2.75) 14(-10.7,2.25) 15(-10.7,1.75) 16(-10.7,1.25) 17(-10.7,0.75) 18(-10.7,0.25) 19(-10.7,-0.25) 20(-10.7,-0.75) 21(-10.7,-1.25) 22(-10.7,-1.75) 23(-10.7,-2.25) 24(-10.7,-2.75) 25(-10.7,-3.25) 26(-10.7,-3.75) 27(-10.7,-4.25) 28(-10.7,-4.75) 29(-10.7,-5.25) 30(-10.7,-5.75) 31(-10.7,-6.25) 32(-10.7,-6.75) 33(-10.7,-7.25) 34(-10.7,-7.75) 35(-10.7,-8.25) 36(-10.7,-8.75) 73(10.7,-8.75) 74(10.7,-8.25) 75(10.7,-7.75) 76(10.7,-7.25) 77(10.7,-6.75) 78(10.7,-6.25) 79(10.7,-5.75) 80(10.7,-5.25) 81(10.7,-4.75) 82(10.7,-4.25) 83(10.7,-3.75) 84(10.7,-3.25) 85(10.7,-2.75) 86(10.7,-2.25) 87(10.7,-1.75) 88(10.7,-1.25) 89(10.7,-0.75) 90(10.7,-0.25) 91(10.7,0.25) 92(10.7,0.75) 93(10.7,1.25) 94(10.7,1.75) 95(10.7,2.25) 96(10.7,2.75) 97(10.7,3.25) 98(10.7,3.75) 99(10.7,4.25) 100(10.7,4.75) 101(10.7,5.25) 102(10.7,5.75) 103(10.7,6.25) 104(10.7,6.75) 105(10.7,7.25) 106(10.7,7.75) 107(10.7,8.25) 108(10.7,8.75)
  rect 0.3x1.5 smd: 37(-8.75,-10.7) 38(-8.25,-10.7) 39(-7.75,-10.7) 40(-7.25,-10.7) 41(-6.75,-10.7) 42(-6.25,-10.7) 43(-5.75,-10.7) 44(-5.25,-10.7) 45(-4.75,-10.7) 46(-4.25,-10.7) 47(-3.75,-10.7) 48(-3.25,-10.7) 49(-2.75,-10.7) 50(-2.25,-10.7) 51(-1.75,-10.7) 52(-1.25,-10.7) 53(-0.75,-10.7) 54(-0.25,-10.7) 55(0.25,-10.7) 56(0.75,-10.7) 57(1.25,-10.7) 58(1.75,-10.7) 59(2.25,-10.7) 60(2.75,-10.7) 61(3.25,-10.7) 62(3.75,-10.7) 63(4.25,-10.7) 64(4.75,-10.7) 65(5.25,-10.7) 66(5.75,-10.7) 67(6.25,-10.7) 68(6.75,-10.7) 69(7.25,-10.7) 70(7.75,-10.7) 71(8.25,-10.7) 72(8.75,-10.7) 109(8.75,10.7) 110(8.25,10.7) 111(7.75,10.7) 112(7.25,10.7) 113(6.75,10.7) 114(6.25,10.7) 115(5.75,10.7) 116(5.25,10.7) 117(4.75,10.7) 118(4.25,10.7) 119(3.75,10.7) 120(3.25,10.7) 121(2.75,10.7) 122(2.25,10.7) 123(1.75,10.7) 124(1.25,10.7) 125(0.75,10.7) 126(0.25,10.7) 127(-0.25,10.7) 128(-0.75,10.7) 129(-1.25,10.7) 130(-1.75,10.7) 131(-2.25,10.7) 132(-2.75,10.7) 133(-3.25,10.7) 134(-3.75,10.7) 135(-4.25,10.7) 136(-4.75,10.7) 137(-5.25,10.7) 138(-5.75,10.7) 139(-6.25,10.7) 140(-6.75,10.7) 141(-7.25,10.7) 142(-7.75,10.7) 143(-8.25,10.7) 144(-8.75,10.7)
  round 1 smd paste-0.51 mask+0.5: FTG1(-10.7,-10.7) FTG2(10.7,10.7)
  Component Side keep-out circle w0.1: c-10.7,-10.7 r1
  Component Side keep-out circle w0.1: c10.7,10.7 r1
  silkscreen extent -10.82,-9.55 9.55,9.57, body extent -11,-11 11,11, height 1.6
RESC1005X40N [mm] "Chip Resistor, EIA 0402, Metric 1005, Body 1.0x0.5mm, IPC Medium Density"
  rect 0.58x0.62 smd: 1(-0.47,0) 2(0.47,0)
  body extent -0.52,-0.27 0.53,0.28, height 0.4
RESC1608X55N [mm] "Chip Resistor, EIA 0603, Metric 1608, Body 1.6x0.8mm, IPC Medium Density"
  rect 0.9x1 smd: 1(-0.8,0) 2(0.8,0)
  body extent -0.87,-0.47 0.88,0.48, height 0.55
RESC3216X65N [mm] "Chip Resistor, EIA 1206, Metric 3216, Body 3.2x1.6mm, IPC Medium Density"
  rect 1.15x1.8 smd: 1(-1.45,0) 2(1.45,0)
  silkscreen extent -0.5,-0.9 0.5,0.9, body extent -1.67,-0.87 1.68,0.88, height 0.65
RESC3216X80N [mm] "Chip Resistor, EIA 1206, Metric 3216, Body 3.2x1.6mm, IPC Medium Density"
  rect 1.25x1.85 smd: 1(-1.5,0) 2(1.5,0)
  silkscreen extent -0.5,-0.8 0.5,0.8, body extent -1.67,-0.87 1.68,0.88, height 0.8
so-8 [mil]
  oval 80x24 smd: 1(0,0) 2(0,-50) 3(0,-100) 4(0,-150) 5(220,-150) 6(220,-100) 7(220,-50) 8(220,0)
  silkscreen extent 60,-175 160,25, body extent -14,-173 230,24, height 69
SOD2512X110N [mm] "Small Outline Diode Flat Lead (SOD-323), 1.70mm W X 1.25mm L X 1.10mm H body,  IPC Medium Density"
  rect 0.9x0.5 smd: 1(-1.3,0) 2(1.3,0)
  silkscreen extent -1.62,-0.65 0.85,0.87, body extent -1.35,-0.67 1.35,0.68, height 1.1
SOIC127P600X175-9N-R241X309 [mm] "SOIC 8, Pitch 1.27mm - Body 3.9x4.9mm, (w/thermal tab 2.41mm X 3.098mm), IPC Medium Density"
  rect 1.55x0.6 smd: 1(-2.65,1.905) 2(-2.65,0.635) 3(-2.65,-0.635) 4(-2.65,-1.905) 5(2.65,-1.905) 6(2.65,-0.635) 7(2.65,0.635) 8(2.65,1.905)
  rect 2.41x3.098 smd: 9(0,0)
  silkscreen extent -3.27,-2.45 1.5,2.87, body extent -3.1,-2.5 3.1,2.5, height 1.75
SOIC127P600X175-14N [mm] "SOIC 14, Pitch 1.27mm - Body 4x8.75mm, IPC Medium Density"
  rect 1.55x0.6 smd: 1(-2.7,3.81) 2(-2.7,2.54) 3(-2.7,1.27) 4(-2.7,0) 5(-2.7,-1.27) 6(-2.7,-2.54) 7(-2.7,-3.81) 8(2.7,-3.81) 9(2.7,-2.54) 10(2.7,-1.27) 11(2.7,0) 12(2.7,1.27) 13(2.7,2.54) 14(2.7,3.81)
  silkscreen extent -2.52,-4.4 1.55,4.78, body extent -3.1,-4.37 3.1,4.38, height 1.75
SON50P200X300X80-11N-R94X250 [mm] "SON, 10-Leads, Body 2x3mm, Pitch 0.5mm, Thermal Pad 0.94x2.5mm, IPC Medium Density"
  rect 0.7x0.3 smd: 1(-1.05,1) 2(-1.05,0.5) 3(-1.05,0) 4(-1.05,-0.5) 5(-1.05,-1) 6(1.05,-1) 7(1.05,-0.5) 8(1.05,0) 9(1.05,0.5) 10(1.05,1)
  rect 0.94x2.5 smd: 11(0,0)
  silkscreen extent -1.5,-1.55 1.05,1.6, body extent -1.05,-1.55 1.05,1.55, height 0.8
SOP63P600X175-16N [mm] "SOP, 0.635mm pitch; 16 pin, 3.9mm W X 4.895mm L X 1.75mm H Body, IPC Medium Density"
  rect 1.55x0.4 smd: 1(-2.7,2.222) 2(-2.7,1.587) 3(-2.7,0.952) 4(-2.7,0.317) 5(-2.7,-0.318) 6(-2.7,-0.953) 7(-2.7,-1.588) 8(-2.7,-2.223) 9(2.7,-2.222) 10(2.7,-1.587) 11(2.7,-0.952) 12(2.7,-0.317) 13(2.7,0.318) 14(2.7,0.953) 15(2.7,1.588) 16(2.7,2.223)
  silkscreen extent -3.32,-2.45 1.6,3.08, body extent -3.13,-2.49 3.13,2.49, height 1.75
SOT95P237X112-3N [mm] "SOT, 0.95mm, pitch; 3 pin,1.30mm W X 2.92mm L X 1.12mm H body, IPC Medium Density"
  rect 1.05x0.6 smd: 1(-1.15,0.95) 2(-1.15,-0.95) 3(1.15,0)
  silkscreen extent -1.53,-1.45 0.3,1.87, body extent -1.25,-1.5 1.25,1.5, height 1.1
SOT95P240X110-3N [mm] "SOT23 3-Leads, Pitch 0.95mm, Body 1.3x2.9mm, IPC Medium Density"
  rect 1.05x0.65 smd: 1(-1.15,0.95) 2(-1.15,-0.95) 3(1.15,0)
  silkscreen extent -1.52,-1.45 0.3,1.92, body extent -1.25,-1.5 1.25,1.5, height 1.1
SOT95P251X112-3N [mm] "SOT23 3-Leads, Pitch 0.95mm - Body 1.3x2.9mm, IPC Medium Density"
  rect 1.05x0.65 smd: 1(-1.2,0.95) 2(-1.2,-0.95) 3(1.2,0)
  silkscreen extent -1.57,-1.45 0.35,1.92, body extent -1.27,-1.5 1.27,1.5, height 1.12
SOT95P280X100-5N [mm] "SOT23, 0.95mm pitch; 5 pin, 1.625mm W X 2.9mm L, IPC Medium"
  rect 1.1x0.55 smd: 1(-1.35,0.95) 2(-1.35,0) 3(-1.35,-0.95) 4(1.35,-0.95) 5(1.35,0.95)
  silkscreen extent -1.77,-1.45 0.48,1.87, body extent -1.4,-1.5 1.4,1.5, height 1
SOT95P280X145-5N [mm] "SOT, 0.95mm pitch; 5 pin, 1.60mm W X 2.90mm L X 1.45mm H body, IPC Medium Density"
  rect 1.1x0.6 smd: 1(-1.3,0.95) 2(-1.3,0) 3(-1.3,-0.95) 4(1.3,-0.95) 5(1.3,0.95)
  silkscreen extent -1.72,-1.45 0.43,1.87, body extent -1.4,-1.5 1.4,1.5, height 1.45
SOT95P280X145-6N [mm] "SOT23, 6-Leads, Body 1.6x3.0mm, Pitch 0.95mm, IPC Medium Density"
  rect 1.05x0.6 smd: 1(-1.35,0.95) 2(-1.35,0) 3(-1.35,-0.95) 4(1.35,-0.95) 5(1.35,0) 6(1.35,0.95)
  silkscreen extent -1.77,-1.55 0.45,1.92, body extent -1.4,-1.5 1.4,1.5, height 1.45
SOT127P700X180-6N [mm] "SOT223, 6-Leads, Body 6.6x7.3mm (max), Pitch 1.27mm, IPC Medium Density"
  rect 2.05x0.65 smd: 1(-3,2.54) 2(-3,1.27) 3(-3,0) 4(-3,-1.27) 5(-3,-2.54)
  rect 2.05x3.2 smd: 6(3,0)
  silkscreen extent -3.92,-3.3 1.6,3.53, body extent -3.68,-3.27 3.68,3.28, height 1.8
SOT190P230X110-4N [mm] "SOT143, SOT, 1.90mm Pitch; 4 Pin, 1.30mm W X 2.90mm L X 1.10mm H body, IPC Medium Density"
  rect 1x1 smd: 1(-1.15,0.75)
  rect 1x0.6 smd: 2(-1.15,-0.95) 3(1.15,-0.95) 4(1.15,0.95)
  silkscreen extent -1.52,-1.45 0.33,1.87, body extent -1.25,-1.5 1.25,1.5, height 1.1
SOT-23 [mil]
  rect 36x36 smd: 1(0,0) 2(75,0)
  rect 36x50 smd: 3(38,80)
  silkscreen extent -20,-5 95,85, body extent -21,-5 97,93, height 47
"TEXAS_TO-PMOD (NDW)" [mm] "TEXAS Package TO-PMOD (NDW), 1.27mm pitch; 9.85mm X 10.16mm X4.57m body"
  rect 3.06x0.89 smd: 1(-5.7,3.81) 2(-5.7,2.54) 3(-5.7,1.27) 4(-5.7,0) 5(-5.7,-1.27) 6(-5.7,-2.54) 7(-5.7,-3.81)
  rect 8.54x5.35 smd: 8(1.605,0)
  silkscreen extent -3.42,-5.08 6.89,5.08, body extent -6.88,-5.08 6.89,5.08, height 4.77
TI-RTE16-1700X1700TP_V [mm] "QFN, 16-Leads, Body 3x3mm, Pitch 0.5mm, Thermal Pad 1.7x1.7mm"
  oval 0.85x0.28 smd: 1(-1.475,0.75) 2(-1.475,0.25) 3(-1.475,-0.25) 4(-1.475,-0.75) 9(1.475,-0.75) 10(1.475,-0.25) 11(1.475,0.25) 12(1.475,0.75)
  oval 0.28x0.85 smd: 5(-0.75,-1.475) 6(-0.25,-1.475) 7(0.25,-1.475) 8(0.75,-1.475) 13(0.75,1.475) 14(0.25,1.475) 15(-0.25,1.475) 16(-0.75,1.475)
  rect 1.7x1.7 smd: 17(0,0)
  silkscreen extent -2.35,-1.57 1.57,1.58, body extent -1.5,-1.5 1.5,1.5, height 0.8
TO228P991X239-3N-R552X520 [mm] "TO-252AA DPAK TO, 2.28mm pitch; 2 pin,9.905mm L X 6.095mm W X 2.39mm H body, IPC Medium Density"
  rect 2.85x1 smd: 1(-4.15,2.28) 2(-4.15,-2.28)
  rect 6.5x5.55 smd: 3(2.3,0)
  silkscreen extent -5.42,-3.25 -1.3,3.43, body extent -5.22,-3.36 5.2,3.37, height 2.45
TPS127 [mm] "1.27 x  1.27mm SMD Test Point Area"
  rect 1.27x1.27 smd paste-1.27: 1(0,0)
  silkscreen extent -0.94,-0.94 0.94,0.94
TYCO_1932144-1 [mm]
  round 1.6 hole 0.9: 1(-4.322,-1.98) 2(-2.036,-1.98) 3(0.25,-1.98) 4(2.536,-1.98) 5(4.822,-1.98) 6(-5.463,0) 7(-3.177,0) 8(-0.891,0) 9(1.395,0) 10(3.681,0) 11(-4.322,1.98) 12(-2.036,1.98) 13(0.25,1.98) 14(2.536,1.98) 15(4.822,1.98)
  round 5 hole 3.18: 16(-12.495,0) 17(12.495,0)
  silkscreen extent -15.49,-6.35 15.51,6.29, body extent -15.39,-6.27 15.42,6.28, height 14.61
XTAL_TXC_7A [mm] "2 Pins, 3.2x5mm, SMD Glass Seam Sealing Crystal, 7A Serie"
  rect 1.7x2.4 smd: 1(-1.85,0) 2(1.85,0)
  silkscreen extent -2.3,-1.6 2.3,1.6, body extent -2.5,-1.6 2.5,1.6, height 1.2